# KiCad board HW.ACIM-INV.kicad_pcb (continued)
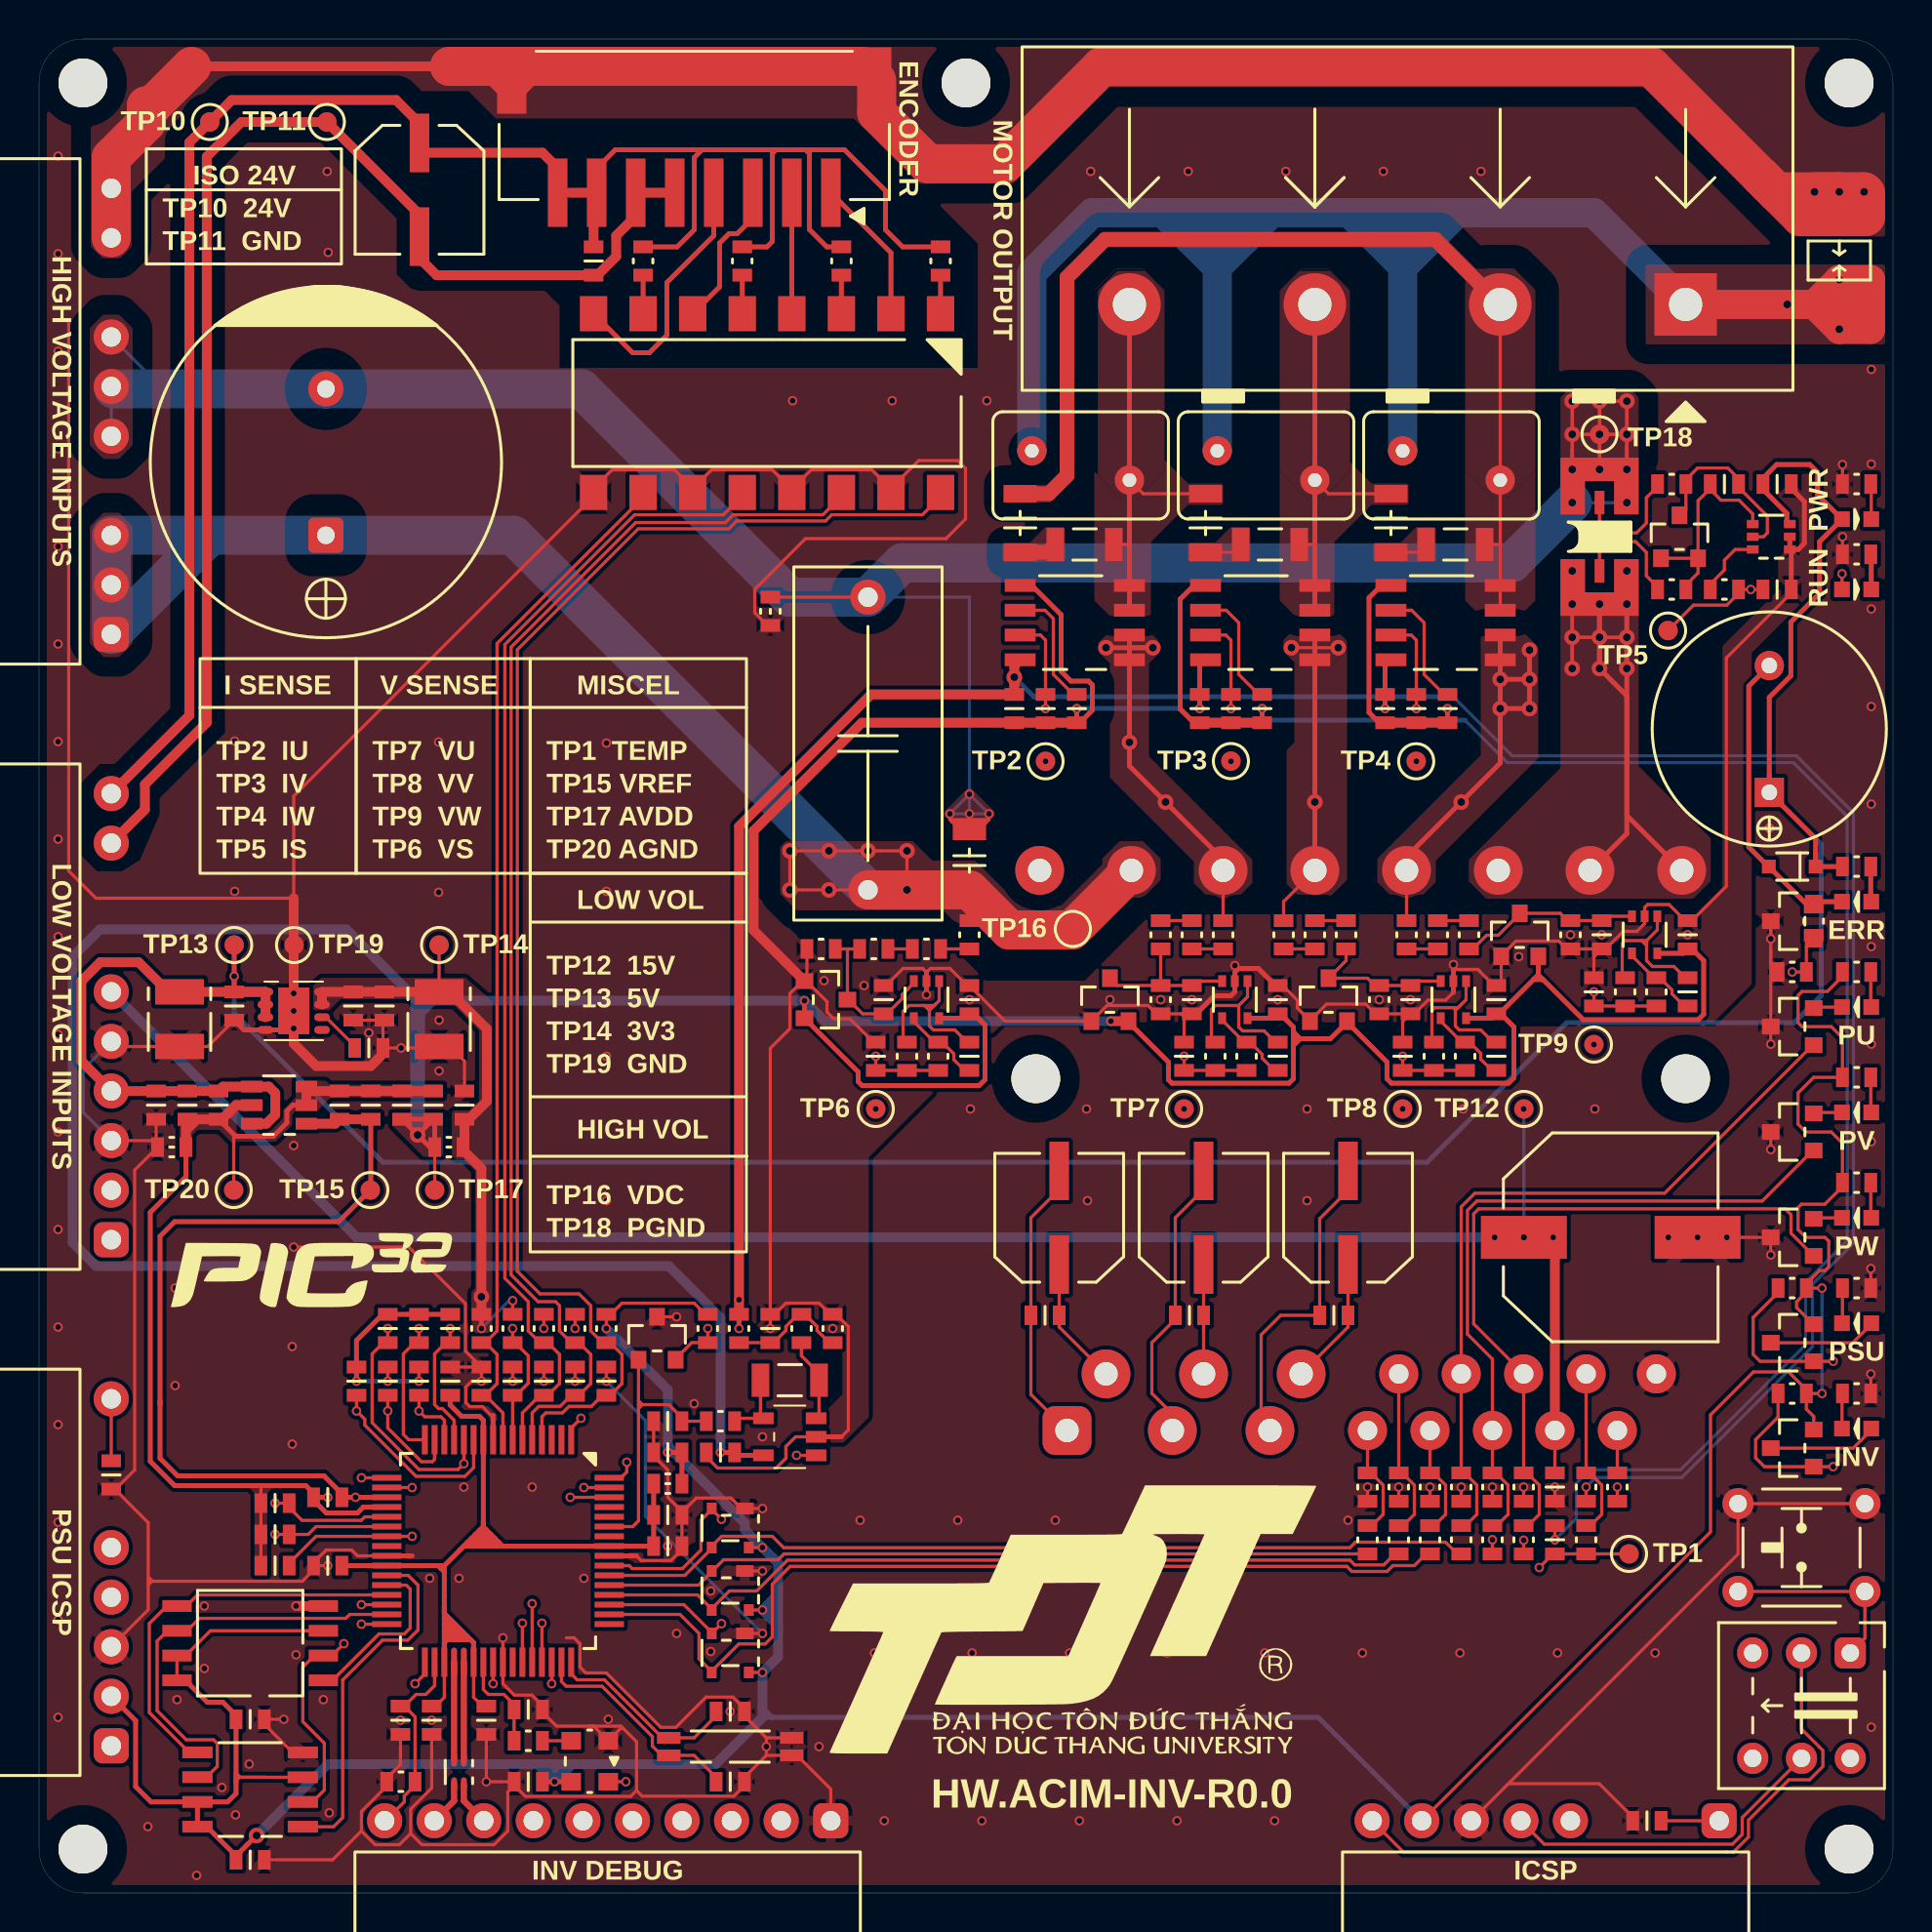
[diagram p0: board, top side]
## Routing (per net, layer and track width the routed paths; a pad name or vN(x,y) marks a point on that pad's centre or on a via; arc(x,y) is an arc through that point) (continued)
  Bottom w1.5: 92.25,81.45 v2(92.25,80.13) 90.98,81.4 ; 92.25,81.45 v2(92.25,82.67) 90.98,81.4 ; 92.25,81.45 92.19,81.4 J3.1 79.68,86.1 72.07,86.1 ; 69.88,83.9 68.82,84.95 ; 69.88,83.9 71,85.03 ; 69.88,83.9 M1.1 ; 68.82,84.95 70.93,84.95 71,85.03 ; 68.82,84.95 67.68,86.1 66.82,86.1 ; 60.38,83.3 58.57,85.1 ; 60.38,83.3 M2.1 ; 60.38,83.3 61.82,84.75 ; 58.57,85.1 58.93,84.75 61.82,84.75 ; 58.57,85.1 57.57,86.1 56.22,86.1 ; 56.22,86.1 63.18,86.1 ; 56.22,86.1 53.97,86.1 50.88,83 M3.1 ; 63.18,86.1 66.82,86.1 ; 63.18,86.1 61.82,84.75 ; 90.98,81.4 v2(89.58,81.4) ; 71,85.03 72.07,86.1 ; 72.07,86.1 66.82,86.1 ; 69.88,83.3 72.68,86.1 ; 69.93,83.3 67.12,86.1
Net-(OP1A-A1): length 2
  Top w0.25: R46.2 OP1.1
Net-(OP1A-K1): length 7.5
  Top w0.25: OP1.2 43.66,84.05 J8.1
Net-(OP1B-A2): length 2
  Top w0.25: R45.2 OP1.3
Net-(OP1B-K2): length 6.2
  Top w0.25: 38.57,80.92 J8.2
Net-(OP1C-A3): length 2
  Top w0.25: OP1.5 R44.2
Net-(OP1C-K3): length 9.3
  Top w0.25: 36.57,85.53 J8.3 36.57,85.83 35.78,85.03 35.35,85.03 34.88,84.55 34.88,82.31 OP1.6
Net-(OP1D-A4): length 2
  Top w0.25: OP1.7 R61.2
Net-(OP1D-K4): length 13.5
  Top w0.25: OP1.8 30.41,78.92 31.28,78.92 32.18,79.83 32.18,82.53 34.57,84.92 J8.4 34.43,86.97
Net-(Q2-D): length 5.6
  Top w0.16: Q2.3 92.96,22.8 93.89,23.72 D5.A
Net-(Q4-D): length 1.5
  Top w0.16: D12.K 90.99,45.39 Q4.2
Net-(Q5-D): length 1.5
  Top w0.16: D13.K 90.99,40 Q5.2
Net-(Q6-D): length 1.5
  Top w0.16: D14.K 90.99,34.59 Q6.2
Net-(Q7-D): length 5.6
  Top w0.16: D16.A 93.89,29.14 92.94,28.19 Q7.3
Net-(Q7-G): length 131.5
  Top w0.16: v1(91.94,27.25) 88.19,27.25 87.84,27.59 87.84,29.5 89.11,30.77 R67.2
  In1.Cu w0.16: v1(91.94,27.25) 89.11,24.42 89.11,8.2 SW1.6
  In2.Cu w0.16: SW1.6 87.81,2.87 87.14,2.2 77.94,2.2 77.59,1.85 37.72,1.85 37.37,1.5 34.32,1.5 33.97,1.15 31.08,1.15 30.73,1.5 9.24,1.5 4.36,6.37 2.92,6.37 2.52,6.77 2.52,13.98 J5.4
Net-(R1-Pad2): length 1.5
  Top w0.16: R1.2 R2.1
Net-(R2-Pad2): length 1.2
  Top w0.16: R2.2 R4.1
Net-(R8-Pad2): length 1.6
  Top w0.16: R8.2 R9.1
Net-(R26-Pad1): length 1.6
  Top w0.16: 59.07,49.83 57.47,49.83
Net-(R34-Pad2): length 1.6
  Top w0.16: R34.2 R35.1
Net-(R35-Pad2): length 1.6
  Top w0.16: 65.38,49.83 66.97,49.83
Net-(R40-Pad2): length 5.9
  Top w0.16: R43.4 79.96,68.69 80.51,69.25 81.81,69.25 82.36,68.69 82.36,67.5 82.94,66.92 R40.2
Net-(R42-Pad2): length 6
  Top w0.16: R43.3 79.96,70.3 80.56,69.69 81.86,69.69 82.36,70.19 82.36,71.5 82.94,72.07 R42.2
Net-(R48-Pad2): length 1.6
  Top w0.16: R48.2 R49.1
Net-(R49-Pad2): length 1.6
  Top w0.16: 73.28,49.83 71.68,49.83
Net-(SW1-COM1): length 32.4
  Top w0.16: SW1.2 90.31,8.4 91.41,7.3 91.41,6.49 90.72,5.8 89.66,5.8 87.59,3.73 87.59,2.87 86.83,2.1 69.91,2.1 J2.8
Net-(SW1-COM2): length 17.2
  Top w0.16: SW1.5 87.28,3.86 87.28,3 86.77,2.5 77.13,2.5 J2.5
Net-(SW1-NO1): length 96.9
  In2.Cu w0.16: J5.1 9.38,1.86 30.87,1.86 31.23,1.5 33.87,1.5 34.22,1.85 37.22,1.85 37.57,2.2 77.44,2.2 77.79,2.55 86.96,2.55 87.47,3.06 87.47,5.75 86.77,6.45 86.77,7.36 87.81,8.4 SW1.3
Net-(U1-ITR): length 2.2
  Top w0.16: U1.15 80.88,21.53
Net-(U1-NU): length 96.8
  Top w0.18: v2(78.56,62.75) v2(78.56,67.75) ; v2(81.36,67.75) 81.36,62.84 81.46,62.75 ; v2(81.36,64.34) v2(78.56,64.34)
  Top w0.25: v2(81.36,66.05) 81.36,55.21 U1.17 ; v2(79.96,66.05) v2(79.96,64.34) v2(79.96,62.75) 81.36,61.34 81.36,54.29 U1.18
  In1.Cu w0.16: v2(78.56,66.05) v2(81.36,66.05)
  In1.Cu w0.18: U1.19 78.56,56.19 ; U1.17 81.36,55.21 v2(81.36,67.75) v2(78.56,67.75) ; v2(81.36,62.75) v2(78.56,62.75)
  In1.Cu w0.25: 79.96,52.89 U1.18 ; U1.17 U1.19
  Bottom w0.18: 78.56,64.8 v2(78.56,64.34) ; 78.56,64.8 v2(78.56,67.75) ; 78.56,64.8 v2(78.56,62.75) ; v2(81.36,62.75) v2(81.36,67.75)
  Bottom w0.25: v2(79.96,66.05) v2(79.96,62.75)
Net-(U1-VBU): length 6.6
  Top w0.16: C3.+ C2.1 52.28,29 U1.2
Net-(U1-VBV): length 5.6
  Top w0.16: U1.4 C4.+
Net-(U1-VBW): length 6.6
  Top w0.16: C6.+ C7.1 67.07,29 U1.6
Net-(U1-VFO): length 8.7
  Top w0.16: 79.28,18.83 79.5,18.83 80.07,19.4 80.07,20.9 79.45,21.53 79.28,21.53 U1.14
Net-(U1-VSU): length 14.7
  Top w0.16: C3.- 52.28,36.05 50.82,34.6 C2.2 50.82,25.55 U1.1
Net-(U1-VSV): length 14.8
  Top w0.16: U1.3 58.07,24.55 57.03,25.6 57.03,28.2 58.22,29.4 C5.2 58.22,34.6 59.68,36.05 C4.-
Net-(U1-VSW): length 16.5
  Top w0.16: U1.5 62.62,24.15 62.62,28.6 63.62,29.6 C7.2 65.62,34.55 67.07,36 C6.-
Net-(U2-VIN-): length 4.4
  Top w0.16: C19.1 63.3,42.15 62.68,42.78 62.68,42.97 62.05,43.6 R10.1 ; R10.1 61.65,43.6 ; R10.1 61.75,43.6 60.62,44.72 U2.4
Net-(U2-VOUT): length 8.1
  Top w0.16: R32.2 60.07,43.8 60.07,45.28 60.28,45.47 61.47,45.47 ; C19.2 63.35,43.6 62.78,44.17 61.68,44.17 61.47,44.38 61.47,45.47 ; U2.1 61.93,45.92 61.47,45.47
Net-(U3-OUT): length 3.5
  Top w0.16: R41.1 85.64,67.07 86.36,67.8 86.36,68.3 86.91,68.84 U3.6
Net-(U4-VIN+): length 4.3
  Top w0.16: U4.3 39.97,24.47 R30.2 39.97,26.62 39.07,27.52 R29.1
Net-(U4-VOUT): length 3.5
  Top w0.16: R27.1 35.79,24.32 U4.4 36.97,24.47 R30.1
Net-(U5-D+): length 5
  Top w0.32: FT7.1 U5.37
Net-(U5-D-): length 5
  Top w0.32: FT7.4 U5.36
Net-(U5-VDD1): length 57.5
  Top w0.16: U5.38 22.27,10.02 22.72,9.57 C96.2 23.09,9.57 ; C93.2 20.32,9.57 20.77,10.02 U5.35
  Top w0.25: 20.77,16.45 20.44,16.77 20.35,16.77 ; 20.77,16.45 20.77,16.77 ; 20.77,16.45 20.77,14.65 ; 20.77,14.05 20.77,13.75 ; 20.77,14.05 20.77,14.65 ; 20.77,14.05 20.77,14.05 21.85,12.97 ; 20.77,13.75 20.77,13.45 ; 20.77,13.75 20.77,13.75 21.55,12.97 ; 22.91,18.61 23.16,18.36 ; 22.91,18.61 22.61,18.61 22.55,18.55 ; 22.91,18.61 22.77,18.76 22.77,18.77 ; 23.16,18.36 23.36,18.16 ; 23.16,18.36 22.36,18.36 22.35,18.35 ; 20.77,14.65 20.77,14.32 22.27,12.82 ; 23.36,18.16 22.16,18.16 22.15,18.15 ; 23.36,18.16 23.56,17.96 ; 21.85,12.97 22.12,12.97 22.27,12.82 ; 21.85,12.97 21.55,12.97 ; 22.35,18.35 22.15,18.15 ; 22.35,18.35 22.55,18.55 ; 23.37,17.77 22.77,17.77 22.77,19.05 ; 23.37,17.77 23.75,17.77 ; 23.37,17.77 21.77,17.77 21.55,17.55 ; 23.75,17.77 23.56,17.96 ; 23.75,17.77 U5.57 C92.2 FT6.2 ; 20.77,13.45 20.77,13.45 21.25,12.97 ; 20.77,13.45 20.77,13.25 ; 23.56,17.96 21.96,17.96 21.95,17.95 ; 20.35,16.77 U5.26 C89.2 ; 20.35,16.77 20.77,16.77 ; 21.25,12.97 21.05,12.97 ; 21.25,12.97 21.55,12.97 ; 21.05,12.97 20.77,13.25 20.77,13.25 ; 21.05,12.97 20.92,12.97 ; 22.27,12.82 U5.38 ; 20.77,13.25 20.77,13.07 ; 20.77,13.07 20.87,12.97 20.92,12.97 ; 20.77,13.07 U5.35 20.77,12.82 20.92,12.97 ; 22.15,18.15 21.95,17.95 ; 20.77,16.77 21.55,17.55 ; 21.55,17.55 21.95,17.95 ; C94.2 21.07,25.01 21.65,24.42 22.57,24.42 22.77,24.22 U5.10 22.77,19.05 ; 22.55,18.55 22.77,18.77 ; 22.77,19.05 22.77,18.77
Net-(U6-CLKO): length 1.5
  Top w0.16: U6.3 R111.2
Net-(U7-FILTER): length 6.2
  Top w0.16: U7.6 70.34,65.73 70.97,65.09 70.97,62.44 72,61.42 C15.2
Net-(U7-IPN1): length 54.8
  Top w0.16: 74.88,69.1 74.88,71.4 ; 74.88,69.1 R68.2 ; 74.88,69.1 U7.3 ; 74.88,71.4 M1.2 ; 74.88,71.4 J3.2
  Top w0.75: J3.2 71.54,84.73 54.62,84.73 52.68,82.78 52.68,72.63 51.75,71.7 C12.1
Net-(U9-FILTER): length 6.2
  Top w0.16: C64.2 62.5,61.42 61.47,62.44 61.47,65.09 60.84,65.73 U9.6
Net-(U9-IPN1): length 20.9
  Top w0.16: R63.2 65.38,69.1 ; M2.2 66.07,71.7 C11.2
  Top w0.25: M2.2 U9.3 ; M2.2 65.32,72.35 65.32,72.15 ; M2.2 J3.3
Net-(U10-FILTER): length 6.4
  Top w0.16: C67.2 53,61.42 51.97,62.44 51.97,65.3 51.54,65.73 U10.6
Net-(U10-IPN1): length 21
  Top w0.16: M3.2 56.57,71.7 C13.1 ; R69.2 55.88,69.1
  Top w0.25: 55.57,72.3 55.78,72.3 M3.2 ; M3.2 J3.4 ; M3.2 U10.4 U10.3
Net-(U12-VIN-): length 4.2
  Top w0.16: U12.4 71.82,44.67 72.9,43.6 R36.1 73.3,43.6 73.88,43.03 73.88,42.72 74.45,42.15 C25.1
Net-(U12-VOUT): length 8.4
  Top w0.16: 72.88,45.53 73.12,45.78 U12.1 ; 72.88,45.53 72.57,45.22 ; 72.88,45.53 72.72,45.36 72.47,45.36 ; 72.57,45.22 72.57,45.27 72.47,45.36 ; 72.57,45.22 72.57,44.42 72.78,44.22 73.88,44.22 74.5,43.6 C25.2 ; R38.2 71.38,43.7 71.38,45.22 71.51,45.36 72.47,45.36
Net-(U14-CDELAY): length 2.4
  Top w0.16: U14.6 14.7,44.87 16.17,43.4 16.17,43.3
Net-(U15-VIN-): length 4.2
  Top w0.16: U15.4 81.62,48.03 82.75,46.9 R50.1 83.05,46.9 83.68,46.28 83.68,46.08 84.3,45.45 C37.1
Net-(U15-VOUT): length 8.4
  Top w0.16: U15.1 82.93,49.35 82.38,48.8 ; 82.38,48.55 82.12,48.8 ; 82.38,48.55 82.38,48.8 ; 82.38,48.55 82.38,47.78 82.68,47.47 83.78,47.47 84.35,46.9 C37.2 ; 82.12,48.8 81.28,48.8 81.12,48.65 81.12,47.05 R52.2 ; 82.12,48.8 82.38,48.8
Net-(U16-VIN-): length 4.5
  Top w0.16: C8.1 47.43,42.15 46.88,42.7 46.88,43 46.28,43.6 R3.1 ; U16.4 44.82,44.65 45.88,43.6 R3.1 ; R3.1 45.85,43.6
Net-(U16-VOUT): length 9.1
  Top w0.16: 45.28,45.47 45.88,45.47 45.97,45.58 ; 45.28,45.47 45.38,45.47 45.62,45.22 ; 45.28,45.47 44.57,45.47 44.28,45.17 44.28,43.78 44.45,43.6 R5.2 ; U16.1 46.12,45.72 45.97,45.58 ; 45.62,45.22 45.62,45.47 ; 45.62,45.22 45.62,44.42 45.82,44.22 46.93,44.22 47.55,43.6 C8.2 ; 45.62,45.22 45.97,45.58

## Copper pours and planes (outline as drawn; the poured copper is in the pictures)
+3V3 on Top: 22.17,29.32 22.25,28.8 22.45,28.6 22.95,28.6 23.35,28.9 23.35,45.6 21.85,46.9 14.45,46.9 14.05,46.5 14.05,45.3 14.15,45.2 14.85,45.2 15.45,45.8 18.95,45.8 19.25,45.5 21.25,45.5 22.55,44.2 22.55,40.6 22.05,40.1 21.25,40.1 21.15,40 21.15,37.8 21.35,37.6 21.75,37.6 22.35,37 22.35,31 22.15,30.8 22.15,29.4
+3V3 on Bottom: 24.02,30.95 25.82,29.15 25.82,28.65 22.57,28.65 22.22,29 22.22,30.7 22.47,30.95
+3V3 on Bottom, In1.Cu, In2.Cu: 22.25,28.85 22.55,28.55 29.55,28.55 29.65,28.65 29.65,30.95 22.45,30.95 22.25,30.75
AGND on Top: 11.04,20.47 11.04,16.27 11.69,16.27 11.69,20.47 12.19,20.98 10.55,20.98 11.05,20.47
AGND on Top: 20.7,41.42 20.7,40.77 14.95,40.77 14.25,40.07 13.15,40.07 12.97,39.89 12.97,39.35 12.12,38.5 10.12,38.5 10.03,38.4 9.92,38.4 9.22,39.1 8.12,39.1 7.85,38.83 7.85,37.72 7.2,37.72 7.2,39.22 7.1,39.32 7.1,39.97 7.13,40 9.33,40 9.99,40.67 11.45,40.67 11.45,40.07 10.35,40.07 10.12,39.84 10.12,39 10.22,38.9 11.62,38.9 12.47,39.75 12.47,40.1 13.15,40.78 13.15,41.62 14.7,41.62 14.9,41.42
AGND on Top: 41.17,28.67 41.17,25.55 39.29,23.67 39.29,23.07 41.22,23.07 42.52,24.37 42.52,37.69 49.44,44.61 83.96,44.61 83.97,44.62 85.82,44.62 87.76,46.57 87.76,63.55 90.97,66.76 90.97,72.72 89.49,72.72 89.12,72.35 89.12,66.75 86.26,63.89 86.26,51.53 84.89,50.15 56.97,50.15 53.57,46.75 48.53,46.75 46.4,48.88 39.02,48.88 36.37,51.52 36.37,29.47 37.17,28.67
AGND on Bottom: 60.38,60.99 59.38,59.99 69.07,59.99 68.07,60.99
AGND on Bottom: 69.88,60.99 68.88,59.99 73.28,59.99 72.28,60.99
AGND on In1.Cu: 17.34,20.02 20.19,22.87 29.74,22.87 33.79,26.92 36.09,26.92 37.84,28.67 37.84,30.12 36.49,31.47 34.59,31.47 33.19,30.07 33.19,28.8 29.61,25.17 21.24,25.17 19.79,26.62 16.09,26.62 14.39,24.92 14.39,20.22 14.59,20.02
AVDD on Top: 18.1,39.97 20.7,39.97 20.7,37.82 20.6,37.72 19.7,37.72 18.1,39.32
GND on Top, Bottom, In1.Cu, In2.Cu: 0,95 95,95 95,0 0,0
PGND on Top: 77.96,70.65 79.21,70.65 79.22,70.65 79.22,72.34 80.71,72.34 80.71,72.34 80.71,70.64 81.96,70.64 81.97,70.64 81.97,76.64 81.56,77.04 78.36,77.04 77.96,76.64 77.96,70.65
PGND on Top, Bottom, In1.Cu, In2.Cu: 48.78,55 48.97,55.2 48.97,55.4 47.78,56.6 47.57,56.6 46.38,55.4 46.38,55.2 46.57,55
PGND on Top, Bottom, In1.Cu, In2.Cu: 3.3,80.88 2.6,80.18 2.6,74.18 3.3,73.48 4.1,73.48 4.8,74.18 4.8,80.18 4.1,80.88
PGND on Bottom: 2.6,74.19 3.3,73.49 28.4,73.49 35.85,66.04 74.85,66.04 79.6,70.79 79.6,71.69 78.6,72.69 78.2,72.69 75.55,70.04 41.65,70.04 30.8,80.89 3.3,80.89 2.6,80.19
PGND on Bottom, In1.Cu, In2.Cu: 81.97,70.64 77.96,70.64 77.96,76.64 78.36,77.04 81.56,77.04 81.97,76.63
PGND on Bottom, In2.Cu: 46.37,55.52 46.37,55.2 46.38,55.2 46.57,55 48.78,55 48.97,55.2 48.97,63.6 51.57,66.19 38.1,66.22 35.79,66.28 35.79,66.1
PGND on In2.Cu: 2.6,74.19 3.3,73.49 28.4,73.49 35.85,66.04 74.85,66.04 79.6,70.79 79.6,71.69 78.6,72.69 78.2,72.69 75.55,70.04 41.65,70.04 30.8,80.89 3.3,80.89 2.6,80.19
/Inverter/MC_VU on Top, Bottom, In1.Cu, In2.Cu: 54.28,63.61 55.02,62.86 56.73,62.86 57.47,63.61 57.47,64.06 56.68,64.86 55.07,64.86 54.28,64.06
/Inverter/MC_VU on Top, In1.Cu: 59.97,50.95 59.18,51.75 59.18,52.85 54.88,57.15 54.88,64.65 55.07,64.85 56.68,64.85 56.88,64.65 56.88,58.25 62.18,52.95 62.18,51.75 61.38,50.95
/Inverter/MC_VU on Bottom, In2.Cu: 58.78,56.35 62.18,52.95 62.18,51.75 61.38,50.95 59.97,50.95 59.18,51.75 59.18,52.85 57.28,54.75 57.28,56.1 57.53,56.35
/Inverter/MC_VU on In1.Cu: 55.68,58.5 56.07,58.5 56.88,59.3 56.88,63.1 54.88,63.1 54.88,59.3
/Inverter/MC_VV on Top, Bottom, In1.Cu, In2.Cu: 64.49,64.94 63.76,64.21 63.76,63.62 64.53,62.86 66.22,62.86 67.03,63.66 67.03,64.16 66.25,64.94
/Inverter/MC_VV on Top, In1.Cu: 64.49,64.94 66.25,64.94 67.03,64.16 67.03,51.91 66.07,50.96 64.68,50.96 63.93,51.71 63.93,58.56 64.32,58.96 64.32,64.77
/Inverter/MC_VV on Bottom, In2.Cu: 66.07,50.95 67.03,51.9 67.03,54.85 65.57,56.3 65.18,56.3 63.93,55.05 63.93,51.7 64.68,50.95
/Inverter/MC_VW on Top, In1.Cu: 70.78,51 71.57,51.8 71.57,52.9 76.82,58.15 76.82,63.85 75.78,64.9 74.07,64.9 73.88,64.7 73.88,58.3 68.57,53 68.57,51.8 69.38,51
/Inverter/MC_VW on Bottom, In2.Cu: 69.38,51 70.78,51 71.57,51.8 71.57,52.9 73.32,54.65 73.32,56.05 73.07,56.3 71.88,56.3 68.57,53 68.57,51.8
/Inverter/MC_VW on Bottom, In2.Cu: 74.47,60.49 74.68,60.29 76.57,60.29 76.78,60.49 76.78,63.89 76.57,64.09 76.18,64.09 74.47,62.39
CHASSIS on Top, Bottom, In1.Cu, In2.Cu: 3.25,83.76 4.15,83.76 4.75,84.36 4.75,87.86 4.15,88.46 3.25,88.46 2.65,87.86 2.65,84.36
CHASSIS on Top, In1.Cu: 2.65,87.86 2.65,94.98 2.67,95 95,95 95,84.88 95,84.88 89.85,84.88 82.2,92.53 54.85,92.53 49.9,87.58 45.1,87.58 41.75,90.93 23.4,90.93 22,92.33 9.9,92.33 9,91.43 8.45,91.43 8.05,91.03 8.05,90.48 4.1,86.53
CHASSIS on Bottom, In2.Cu: 89.98,87.62 90.53,88.17 93.98,88.17 94.53,87.62 94.53,86.72 93.98,86.17 90.53,86.17 89.98,86.72
VDC on Top: 38.28,53.9 37.97,53.6 37.97,51.2 38.82,50.35 46.32,50.35 47.18,49.5 48.18,49.5 49.32,48.35 53.32,48.35 55.97,51 56.57,51 57.47,51.9 57.47,53 56.57,53.9 55.38,53.9 54.47,53 54.47,52.7 52.38,50.6 50.28,50.6 47.97,52.9 45.78,52.9 44.78,53.9
VDC on Top, Bottom, In1.Cu, In2.Cu: 3.3,70.73 2.6,70.03 2.6,64.03 3.3,63.33 4.1,63.33 4.8,64.03 4.8,70.03 4.1,70.73
VDC on Bottom: 2.6,70.03 3.3,70.73 27,70.73 44,53.73 44,51.33 43.3,50.63 40.7,50.63 28,63.33 3,63.33 2.6,63.73
VDC on Bottom, In1.Cu, In2.Cu: 56.57,53.9 57.47,53 57.47,51.9 53.88,48.3 40.88,48.3 37.97,51.2 37.97,53.6 38.28,53.9 44.78,53.9 45.78,52.9 47.97,52.9 50.28,50.6 52.38,50.6 54.47,52.7 54.47,53 55.38,53.9
VDC on In2.Cu: 2.6,70.03 3.3,70.73 27,70.73 44.1,53.63 44.1,51.43 42.9,50.23 41.1,50.23 28,63.33 3,63.33 2.6,63.73
VREF on Bottom: 69.07,60.39 70.07,61.39 67.88,61.39 68.88,60.39
VREF on Bottom: 59.57,60.39 60.57,61.39 58.38,61.39 59.38,60.39
Net-(C11-Pad1) on Top: 71.57,70 70.57,70 69.78,69.2 68.38,69.2 68.38,68.2 71.57,68.2
Net-(C12-Pad2) on Top: 52.57,70 51.57,70 50.78,69.2 49.38,69.2 49.38,68.2 52.57,68.2
Net-(C13-Pad2) on Top: 62.07,70 61.07,70 60.28,69.2 58.88,69.2 58.88,68.2 62.07,68.2
Net-(G1-Pad2) on Top, In1.Cu: 82.32,79.35 94.65,79.35 94.65,83.45 82.32,83.45
Net-(G1-Pad2) on Bottom, In2.Cu: 76.68,73.15 76.72,73.2 76.72,77.15 77.47,77.9 91.12,77.9 93.03,79.8 93.03,83 92.57,83.45 86.97,83.45 83.53,86.9 53.62,86.9 50.12,83.4 50.12,73.55 50.53,73.15
Net-(U1-NU) on Top: 79.22,68.35 79.22,66.65 80.71,66.65 80.71,66.66 80.71,68.35 81.96,68.35 81.97,68.35 81.97,57.74 85.66,54.05 85.66,51.84 84.76,50.94 74.16,50.94 73.26,51.84 73.26,52.94 77.96,57.64 77.96,68.35 77.96,68.35
Net-(U1-NU) on Top, Bottom, In1.Cu, In2.Cu: 73.32,51.8 74.18,50.95 84.78,50.95 85.62,51.8 85.62,53 84.78,53.85 74.18,53.85 73.32,53
Net-(U1-NU) on Bottom: 77.97,68.35 81.97,68.35 81.97,62.55 81.56,62.14 78.36,62.14 77.97,62.54
Net-(U1-NU) on In1.Cu: 79.16,68.35 80.71,68.34 80.71,68.35 81.96,68.35 81.97,68.34 81.97,57.74 85.66,54.04 85.66,51.84 84.76,50.94 74.16,50.94 73.26,51.84 73.26,52.94 77.96,57.64 77.96,68.35 77.96,68.35
Net-(U1-NU) on In2.Cu: 77.97,68.35 81.97,68.35 81.97,62.55 81.56,62.14 78.36,62.14 77.97,62.54
Net-(U7-IPN1) on Top: 49.43,72.15 49.43,71.25 51.83,71.25 53.05,72.47 53.05,82.62 54.75,84.32 71.4,84.32 73.3,82.42 73.85,82.97 73.85,83.02 71.75,85.12 54.45,85.12 52.3,82.97 52.3,72.82 51.63,72.15
Net-(U7-IPN1) on Top: 73.97,65.33 75.78,65.33 76.68,66.23 76.68,82.13 75.57,83.23 73.07,83.23 73.07,66.23
Net-(U7-IPN1) on Top, Bottom, In1.Cu, In2.Cu: 75.22,71.45 76.68,72.9 76.68,82.15 75.57,83.25 74.18,83.25 73.07,82.15 73.07,72.9 74.53,71.45
Net-(U9-IPN1) on Top: 64.57,65.23 66.18,65.23 66.38,65.43 66.38,69.23 68.28,71.13 70.18,71.13 70.18,72.23 68.28,72.23 67.18,73.33 67.18,82.13 66.07,83.23 64.68,83.23 63.57,82.13 63.57,66.23
Net-(U9-IPN1) on Top, Bottom, In1.Cu, In2.Cu: 65.72,71.4 67.18,72.85 67.18,82.1 66.07,83.2 64.68,83.2 63.57,82.1 63.57,72.85 65.03,71.4
Net-(U10-IPN1) on Top: 54.97,65.33 56.97,65.33 56.97,69.23 58.88,71.13 60.68,71.13 60.68,72.23 58.88,72.23 57.68,73.43 57.68,82.13 56.57,83.23 55.18,83.23 54.07,82.13 54.07,66.23
Net-(U10-IPN1) on Top, Bottom, In1.Cu, In2.Cu: 56.22,71.4 57.68,72.85 57.68,82.1 56.57,83.2 55.18,83.2 54.07,82.1 54.07,72.85 55.53,71.4

Small or netless copper shapes (teardrops, artwork), in the pictures only: 1 on Top

## Text on the board
F.Silkscreen: HW.ACIM-INV-R0.0 | ISO 24V / TP10  24V / TP11  GND | I SENSE / TP2  IU / TP3  IV / TP4  IW / TP5  IS | V SENSE / TP7  VU / TP8  VV / TP9  VW / TP6  VS | MISCEL / TP1  TEMP / TP15 VREF / TP17 AVDD / TP20 AGND | LOW VOL / TP12  15V / TP13  5V / TP14  3V3 / TP19  GND / HIGH VOL / TP16  VDC / TP18  PGND
